# Altium PCB MPPT_Charger.PcbDoc (part 2 of 2)
Units mm, origin at the board's own origin, x right, y up, seen from the top; angles counter-clockwise.
Board outline 91.3 x 74.3 mm, 4 copper layers (Top Layer, Mid-Layer 1, Mid-Layer 2, Bottom Layer), stack 1.581 mm thick; 113 components, 75 nets, 367 pads, 566 vias.
Unrouted connection lines stored in the file: 70.
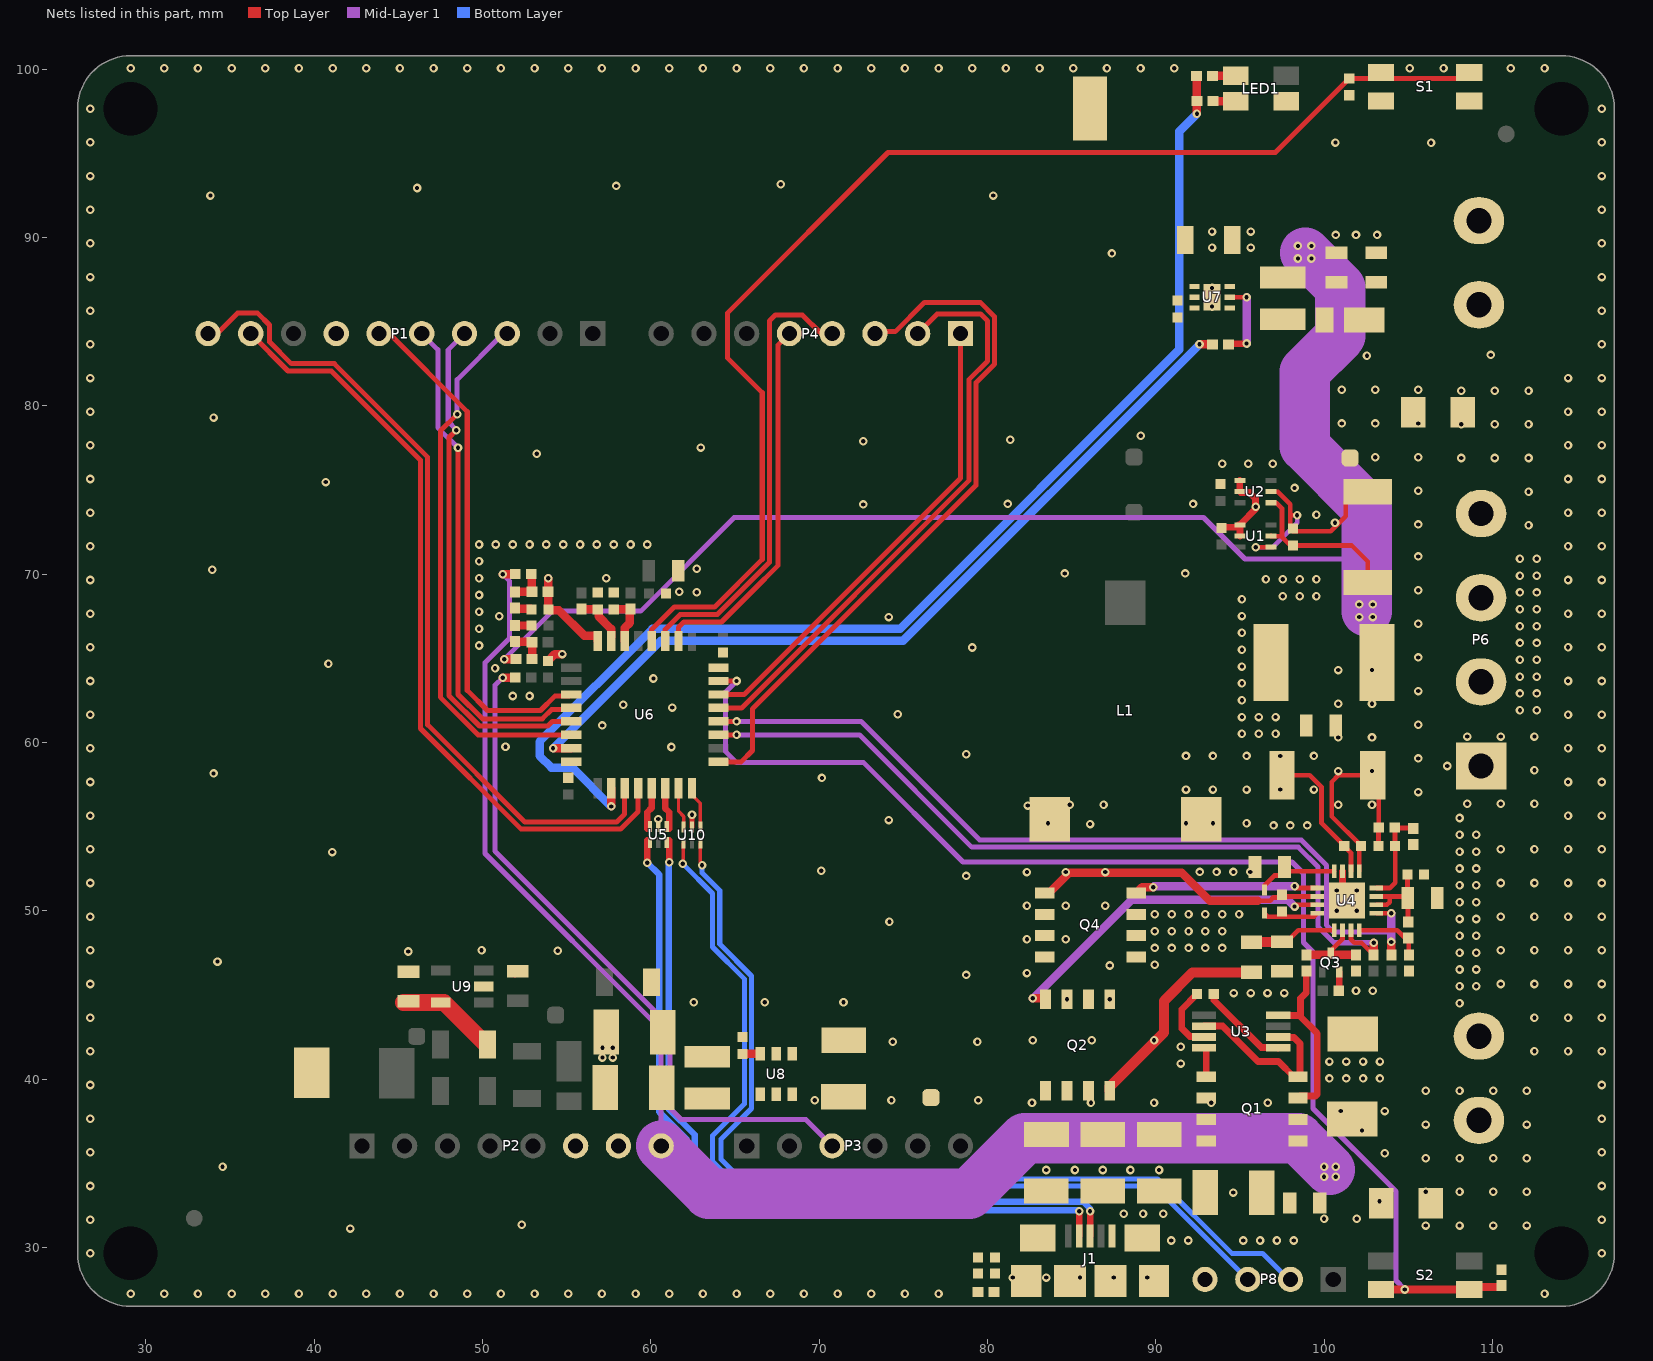
[diagram p4: the nets of this part, all layers, seen from the top]

## Via types
v1: diameter 0.508, hole 0.254, Top Layer to Bottom Layer, tented both sides, 566 vias

## Nets (pads, with @x,y where several pads share a name; then routed paths per layer and width w, separated by ;. In a path a pad name is that pad's centre, name@x,y a point inside that pad or via, vN(x,y) a via of type N, cw(c..) or ccw(c..) an arc to the next point about the centre after c; other vN are vias at no path point) (continued)
GND: C1.2 C2.2 C3.2 C5.1 C6.1 C7.1 C8.1 C9.1 C10.1 C11.2 C12.1 C17.2 C18.1 C19.1 C20.2 C21.2 C22.2 C23.1 C24.2 C25.2 C26.1 C27.2 C28.2 C29.2 C30.2 C31.2 C33.1 C34.1 C35.1 C36.1 C37.1 C38.2 D1.2 D5.2 J1.5 LED1.1 P1.7 P2.6 P2.7 P5.2 P6.2 P6.3 P8.4 Q3.3 Q4.1 Q4.2 Q4.3 R9.1 R10.1 R11.1 R13.1 R17.1 R21.1 R23.2 R24.1 R28.1 S1.1 S1.3 TP4.1 U1.1 U1.2 U2.1 U2.2 U4.11 U4.17 U5.2 U6.16 U6.32 U7.3 U7.7 U8.4 U9.2 U10.2 | length 12.9
  Top Layer w0.3: U10.2@62.45,54.975 v1(62.45,55.7)
  Top Layer w0.4: U9.2@50.075,45.5 U9.2@50.35,45.5 ; C36.1@51.925,46.225 C36.1@52.1,46.4 ; C3.2@93.9,72.75 93.94,72.79 94.8,72.79 94.93,72.92 U1.1@95.01,72.92 ; U2.1@95,75.56 U2.2@95,74.9 95.05,74.85 95.58,74.85 95.929,74.501 95.929,74.021 v1(95.95,74) 95.95,73.89 95.02,72.96 95.02,72.95 95.03,72.94 U1.1@95.01,72.92 ; U1.2@95.01,72.26 U1.1@95.01,72.92 ; R10.1@100.875,45.25 100.9,45.275 Q3.3@100.9,46.35 ; U4.11@101.1,52.35 101.1,50.85 U4.17@101.35,50.6
  Top Layer w0.5: R23.2@51.925,66.95 C21.2@52.925,66.95 ; R24.1@51.925,68 51.975,67.95 52.875,67.95 C24.2@52.925,67.9 ; C1.2@53.9,64.85 54.298,65.248 54.748,65.248 v1(54.75,65.25)
  other v1: 29.1,27.25 31.1,27.25 33.1,27.25 35.1,27.25 37.1,27.25 39.1,27.25 41.1,27.25 43.1,27.25 45.1,27.25 47.1,27.25 49.1,27.25 51.1,27.25 53.1,27.25 55.1,27.25 57.1,27.25 59.1,27.25 61.1,27.25 63.1,27.25 65.1,27.25 67.1,27.25 69.1,27.25 71.1,27.25 73.1,27.25 75.1,27.25 77.1,27.25 113.1,27.25 26.7,29.65 116.5,29.65 90.93,30.41 91.93,30.41 95.2,30.41 96.2,30.41 97.2,30.41 98.2,30.41 42.15,31.12 52.33,31.35 26.7,31.65 116.5,31.65 88.1,32 89.25,32 90.45,32 94.6,33.26 26.7,33.65 116.5,33.65 83.5,34.6 85.2,34.6 86.85,34.6 88.5,34.6 90.2,34.6 34.56,34.8 26.7,35.65 116.5,35.65 26.7,37.65 116.5,37.65 26.7,39.65 116.5,39.65 100.32,40.04 101.32,40.04 102.32,40.04 103.32,40.04 91.49,40.92 100.32,41.04 101.32,41.04 102.32,41.04 103.32,41.04 57.13,41.28 57.75,41.28 26.7,41.65 112.5,41.65 114.5,41.65 116.5,41.65 57.13,41.86 57.75,41.86 91.49,41.92 74.38,42.22 79.41,42.22 26.7,43.65 112.5,43.65 114.5,43.65 116.5,43.65 108.05,44.51 62.55,44.565 66.77,44.565 71.45,44.565 94.64,45.11 95.64,45.11 96.64,45.11 97.64,45.11 101.9,45.25 102.9,45.25 108.05,45.51 109.05,45.51 26.7,45.65 110.5,45.65 112.5,45.65 114.5,45.65 116.5,45.65 78.75,46.19 108.05,46.51 109.05,46.51 89.95,46.79 34.26,46.98 108.05,47.51 109.05,47.51 45.59,47.58 54.475,47.62 26.7,47.65 49.95,47.65 110.5,47.65 112.5,47.65 114.5,47.65 116.5,47.65 89.95,47.79 90.95,47.79 91.95,47.79 92.95,47.79 93.95,47.79 108.05,48.51 109.05,48.51 89.95,48.79 90.95,48.79 91.95,48.79 92.95,48.79 93.95,48.79 74.18,49.34 108.05,49.51 109.05,49.51 26.7,49.65 110.5,49.65 112.5,49.65 114.5,49.65 116.5,49.65 89.95,49.79 90.95,49.79 91.95,49.79 92.95,49.79 93.95,49.79 94.95,49.79 100.75,50 101.95,50 108.05,50.51 109.05,50.51 100.75,51.2 101.95,51.2 108.05,51.51 109.05,51.51 26.7,51.65 110.5,51.65 112.5,51.65 114.5,51.65 116.5,51.65 78.75,52.07 92.618,52.31 93.618,52.31 94.618,52.31 95.618,52.31 70.13,52.37 108.05,52.51 109.05,52.51 41.08,53.487 108.05,53.51 109.05,53.51 26.7,53.65 110.5,53.65 112.5,53.65 114.5,53.65 116.5,53.65 108.05,54.51 109.05,54.51 97,55.07 98,55.07 99,55.07 74.14,55.39 60.45,55.448 108.05,55.51 26.7,55.65 114.5,55.65 116.5,55.65 26.7,57.65 114.5,57.65 116.5,57.65 70.17,57.89 34.03,58.16 78.75,59.3 26.7,59.65 114.5,59.65 116.5,59.65 51.37,59.75 61.23,59.73 95.12,60.51 96.12,60.51 97.12,60.51 57.12,61.01 95.12,61.51 96.12,61.51 97.12,61.51 26.7,61.65 114.5,61.65 116.5,61.65 74.68,61.68 111.64,61.91 112.64,61.91 61.27,62.07 58.37,62.24 95.12,62.51 51.8,62.76 52.8,62.76 111.64,62.91 112.64,62.91 95.12,63.51 26.7,63.65 114.5,63.65 116.5,63.65 60.16,63.8 111.64,63.91 112.64,63.91 50.75,64.4 95.12,64.51 40.85,64.67 111.64,64.91 112.64,64.91 95.12,65.51 79.1,65.64 26.7,65.65 114.5,65.65 116.5,65.65 49.8,65.76 111.64,65.91 112.64,65.91 95.12,66.51 49.8,66.76 111.64,66.91 112.64,66.91 74.14,67.45 51,67.5 95.12,67.51 26.7,67.65 114.5,67.65 116.5,67.65 49.8,67.76 111.64,67.91 112.64,67.91 95.12,68.51 97.55,68.69 98.55,68.69 99.55,68.69 49.8,68.76 62.73,68.92 111.64,68.91 112.64,68.91 61.7,68.95 26.7,69.65 114.5,69.65 116.5,69.65 96.55,69.69 97.55,69.69 98.55,69.69 99.55,69.69 49.8,69.76 57.35,69.75 111.64,69.91 112.64,69.91 84.59,70.04 91.76,70.04 33.95,70.26 62.73,70.32 49.8,70.76 111.64,70.91 112.64,70.91 26.7,71.65 114.5,71.65 116.5,71.65 49.8,71.76 50.8,71.76 51.8,71.76 52.8,71.76 53.8,71.76 54.8,71.76 55.8,71.76 56.8,71.76 57.8,71.76 58.8,71.76 59.8,71.76 99.55,73.52 26.7,73.65 114.5,73.65 116.5,73.65 72.63,74.14 81.21,74.17 92.22,74.17 98.25,75.12 40.69,75.47 26.7,75.65 114.5,75.65 116.5,75.65 93.95,76.55 95.49,76.56 96.95,76.56 53.22,77.15 62.97,77.52 26.7,77.65 114.5,77.65 116.5,77.65 72.63,77.89 81.35,77.99 89.11,78.22 34.03,79.3 26.7,79.65 114.5,79.65 116.5,79.65 26.7,81.65 114.5,81.65 116.5,81.65 102.55,82.98 109.9,83.02 26.7,83.65 116.5,83.65 26.7,85.65 116.5,85.65 93.35,85.9 93.35,87 26.7,87.65 116.5,87.65 87.4,89.05 93.35,89.4 95.65,89.4 26.7,89.65 116.5,89.65 100.7,90.15 101.9,90.15 103.15,90.15 93.35,90.35 95.65,90.35 26.7,91.65 116.5,91.65 33.84,92.49 80.35,92.49 46.12,92.94 57.95,93.06 67.73,93.17 26.7,93.65 116.5,93.65 100.677,95.64 106.36,95.63 26.7,95.65 116.5,95.65 26.7,97.65 116.5,97.65 29.1,100.05 31.1,100.05 33.1,100.05 35.1,100.05 37.1,100.05 39.1,100.05 41.1,100.05 43.1,100.05 45.1,100.05 47.1,100.05 49.1,100.05 51.1,100.05 53.1,100.05 55.1,100.05 57.1,100.05 59.1,100.05 61.1,100.05 63.1,100.05 65.1,100.05 67.1,100.05 69.1,100.05 71.1,100.05 73.1,100.05 75.1,100.05 77.1,100.05 79.1,100.05 81.1,100.05 83.1,100.05 85.1,100.05 87.1,100.05 89.1,100.05 91.1,100.05 105.1,100.05 107.1,100.05 111.1,100.05 113.1,100.05
I_SENS1: C22.1 R15.2 U6.6 | length 3
  Top Layer w0.5: C22.1@57.8,67.9 57.812,67.912 R15.2@58.787,67.912 ; U6.6@58.45,66.025 58.45,66.8 58.75,67.1 58.75,67.875 R15.2@58.787,67.912 ; R15.2@58.8,67.925 R15.2@58.787,67.912
I_SENS2: C25.1 R16.2 U6.7 | length 3
  Top Layer w0.5: R16.2@55.875,67.925 55.888,67.912 56.837,67.912 C25.1@56.85,67.9 56.9,67.85 56.9,67.5 57.65,66.75 U6.7@57.65,66.25
LED_DIMM: R27.1 U6.15 | length 50.2
  Top Layer w0.5: v1(54.198,59.65) U6.15@55.275,59.65 ; v1(92.6,83.65) R27.1@93.375,83.65
  Bottom Layer w0.5: v1(54.198,59.65) 60.598,66.05 75,66.05 v1(92.6,83.65)
NetC4_1: C4.1 F2.1 R7.1 TP1.0 U1.4 U2.5 | length 14
  Top Layer w0.28: v1(95.95,71.6) U1.4@96.85,71.6 U1.4@96.9,71.6 ; U2.5@96.84,74.9 96.85,74.89 97.26,74.89 98,74.15 98,73.5 ; C4.1@98.15,72.7 C4.1@98.15,72.8 ; v1(98.4,73.5) 98,73.5 ; R7.1@102.6,74.9 101.9,74.9 101.29,74.29 101.29,73.44 100.4,72.55 98.15,72.55 98.075,72.625 98,72.7 98,73.5
  Mid-Layer 1 w0.28: v1(95.95,71.6) 96.95,71.6 98.4,73.05 v1(98.4,73.5)
  other v1: 105.6,72.95 100.65,73.05 105.6,74.95 103.05,76.95 105.6,76.95 101.05,78.95 103.05,78.95 105.6,78.95 101.05,80.95 103.05,80.95 105.6,80.95
NetC7_2: C7.2 R3.2 U4.1 | length 5.2
  Top Layer w0.28: C7.2@97.5,48.15 97.775,48.15 98.475,48.85 U4.1@100.6,48.85
  Top Layer w0.6: R3.2@95.69,48.14 95.695,48.145 97.495,48.145 C7.2@97.5,48.15
NetC11_1: C11.1 R2.1
NetC12_2: C12.2 D2.1 U4.12 | length 5.1
  Top Layer w0.28: D2.1@96.45,51.225 96.45,51.5 97.04,52.09 97.415,52.09 97.65,52.325 C12.2@97.65,52.585 ; C12.2@97.65,52.6 C12.2@97.65,52.585 ; U4.12@100.6,52.35 97.885,52.35 C12.2@97.65,52.585
NetC13_1: C13.1 U3.7 | length 3.9
  Top Layer w0.4: C13.1@92.45,45.05 91.55,44.15 91.55,43 92.025,42.525 92.845,42.525 U3.7@92.87,42.5
NetC13_2: C13.2 U3.1 | length 5.4
  Top Layer w0.4: C13.2@93.45,45.05 93.45,44.7 96.275,41.875 97.245,41.875 U3.1@97.27,41.85
NetC14_1: C14.1 D2.2 U4.16 | length 3.3
  Top Layer w0.28: D2.2@96.45,49.875 96.45,49.86 96.66,49.65 99.4,49.65 U4.16@99.6,49.85
NetC14_2: C14.2 L1.1 Q2.1 Q2.2 Q2.3 Q4.5 Q4.6 Q4.7 Q4.8 U4.14 | length 17.6
  Top Layer w0.28: 96.05,50.6 96.8,50.6 96.99,50.79 97.34,50.79 C14.2@97.5,50.95 97.6,50.85 U4.14@99.6,50.85
  Top Layer w0.5: Q4.5@83.4,51.06 83.65,51.06 84.84,52.25 91.55,52.25 93.2,50.6 96.05,50.6
  other v1: 84.73,44.75 87.27,44.75 82.35,46.3 87.27,46.75 82.35,48.3 84.65,48.3 82.35,50.3 84.65,50.3 87,50.3 82.35,52.3 84.65,52.3 87,52.3 86.1,55.15 83.6,55.2 82.4,56.25 84.9,56.3 86.9,56.3
NetC16_2: C16.2 R8.1 R13.2 U4.8 | length 5.7
  Top Layer w0.28: U4.8@103.1,51.35 103.9,51.35 104.225,51.675 C16.2@104.225,53.85 104.212,53.863 R8.1@104.212,54.938 ; R8.1@104.2,54.95 R8.1@104.212,54.938 ; R13.2@105.3,54.875 105.262,54.913 104.237,54.913 R8.1@104.212,54.938
NetC18_2: C18.2 C19.2 J1.6 J1.7 J1.8 J1.9 J1.10 J1.11 R17.2
  other v1: 81.5,28.21 83.5,28.21 85.5,28.21 87.5,28.21 89.5,28.21
NetC20_1: C20.1 S1.2 S1.4 U6.4 | length 74.5
  Top Layer w0.3: U6.4@60.05,66.025 60.05,66.7 61.4,68.05 63.796,68.05 66.623,70.877 66.623,80.777 64.55,82.85 64.55,85.5 74.1,95.05 97.1,95.05 C20.1@101.5,99.45 108.275,99.45 S1.4@108.625,99.8
NetC30_1: C30.1 D3.2 P9.1
NetC31_1: C31.1 U7.2
NetC32_1: C32.1 L3.1 U8.5
NetC32_2: C32.2 U8.6 | length 1
  Top Layer w0.5: C32.2@65.45,41.5 U8.6@66.5,41.5
NetC34_2: C34.2 C35.2 L3.2 R29.2 U8.1
NetC37_2: C37.2 R31.2 U9.5 | length 6.1
  Top Layer w1: C37.2@45.3,44.55 U9.5@47.525,44.55 47.729,44.55 50.3,41.979 R31.2@50.3,42.05
NetD3_1: D3.1 L2.2 U7.4
NetF1_1: F1.1 P5.1
  other v1: 106.05,31.3 108.05,31.3 110.05,31.3 112.05,31.3 106.05,33.3 108.05,33.3 110.05,33.3 112.05,33.3 106.05,35.3 108.05,35.3 110.05,35.3 112.05,35.3 106.05,37.3 112.05,37.3 106.05,39.3 108.05,39.3 110.05,39.3 112.05,39.3
NetF2_2: F2.2 P6.4
  other v1: 112.15,72.9 112.15,74.9 108.15,76.9 110.15,76.9 112.15,76.9 108.15,78.9 110.15,78.9 112.15,78.9 108.15,80.9 110.15,80.9 112.15,80.9
NetJ1_2: J1.2 U5.4 | length 46.3
  Top Layer w0.381: v1(59.8,52.85) 59.8,54.2 ; J1.2@85.45,30.675 v1(85.45,32.15)
  Bottom Layer w0.381: v1(59.8,52.85) 60.5,52.15 60.5,38.05 62.1,36.45 62.1,34.7 64.6,32.2 85.4,32.2 v1(85.45,32.15)
NetJ1_3: J1.3 U5.6 | length 46.1
  Top Layer w0.381: v1(61.1,52.883) 61.1,54.2 ; J1.3@86.1,30.67 J1.3@86.1,30.675 v1(86.1,32.15)
  Bottom Layer w0.381: v1@61.06,52.883 61.06,38.25 62.608,36.702 62.608,34.942 64.829,32.721 85.687,32.721 86.076,32.333 86.076,32.174 v1(86.1,32.15)
NetLED1_2: LED1.2 R26.2 | length 1.4
  Top Layer w0.5: R26.2@93.4,98.1 LED1.2@94.75,98.1
NetLED1_3: LED1.3 R25.2 | length 1.4
  Top Layer w0.5: R25.2@93.375,99.6 LED1.3@94.75,99.6
NetP3_3: P3.3 R1.1 | length 41.4
  Top Layer w0.5: v1(51.2,63.85) R1.1@51.95,63.85
  Mid-Layer 1 w0.3: v1(51.2,63.85) 50.75,63.4 50.75,53.54 61.15,43.14 61.15,38.26 61.81,37.6 69.21,37.6 P3.3@70.78,36.03
NetP4_3: P4.3 U6.25 | length 42.3
  Top Layer w0.3: U6.25@64.025,58.85 65.375,58.85 66.05,59.525 66.05,62 79.327,75.277 79.327,81.373 80.427,82.473 80.427,85.297 79.574,86.15 76.268,86.15 74.52,84.402 73.432,84.402 P4.3@73.32,84.29
NetP4_4: P4.4 U6.3 | length 27.2
  Top Layer w0.3: U6.3@60.85,66.025 60.85,66.7 61.75,67.6 63.95,67.6 67.05,70.7 67.05,85.05 67.4,85.4 69,85.4 70.11,84.29 P4.4@70.78,84.29
NetP4_5: P4.5 U6.2 | length 22.3
  Top Layer w0.3: U6.2@61.65,66.025 61.65,66.837 61.963,67.15 64.2,67.15 66.075,69.025 67.55,70.5 67.55,83.6 P4.5@68.24,84.29
NetP8_2: P8.2 U10.6 | length 57.6
  Top Layer w0.2: U10.6@62.95,54.025 62.95,52.883 63.05,52.783 v1(63.05,52.7)
  Bottom Layer w0.3: v1(63.05,52.7) 63.05,52.254 64.1,51.204 64.1,48.02 65.99,46.13 65.99,38.25 64.17,36.43 64.17,35.23 65.331,34.069 90.105,34.069 94.524,29.65 96.35,29.65 97.67,28.33 97.78,28.33 P8.2@98.01,28.1
NetP8_3: P8.3 U10.4 | length 55.9
  Top Layer w0.2: v1(61.9,52.8) 61.925,52.825 61.925,54 U10.4@61.95,54.025
  Bottom Layer w0.3: v1(61.9,52.8) 63.673,51.027 63.673,47.843 65.563,45.953 65.563,38.523 63.673,36.633 63.673,35.123 65.154,33.642 89.928,33.642 P8.3@95.47,28.1
NetP9_2: P9.2 R28.2 U7.1
NetQ1_4: Q1.4 U3.2 U3.6 | length 10.3
  Top Layer w0.4: U3.6@92.87,43.15 93.975,43.15 96.075,41.05 97.29,41.05 98.2,40.14 Q1.4@98.45,40.14 98.575,40.265 98.575,42.116 98.216,42.475 97.295,42.475 U3.2@97.27,42.5
NetQ2_4: Q2.4 U4.15 | length 20.3
  Top Layer w0.28: v1(98.25,50.25) 98.35,50.35 U4.15@99.6,50.35
  Top Layer w0.5: v1(82.7,44.8) 82.702,44.798 83.412,44.798 Q2.4@83.46,44.75
  Mid-Layer 1 w0.5: v1(82.7,44.8) 88.55,50.65 97.85,50.65 v1(98.25,50.25)
NetQ4_4: Q4.4 U4.13 | length 11
  Top Layer w0.28: v1(98.25,51.45) 98.35,51.35 U4.13@99.6,51.35
  Top Layer w0.5: Q4.4@88.85,51.06 89.19,51.4 v1(89.85,51.4)
  Mid-Layer 1 w0.5: v1(89.85,51.4) 89.9,51.45 v1(98.25,51.45)
NetR18_1: R18.1 R20.1 R24.2 | length 2.1
  Top Layer w0.5: R24.2@51.925,68.95 R20.1@52.95,68.95 52.925,68.975 52.925,69.975 R18.1@52.9,70
NetR19_2: R19.2 R22.1 R23.1 | length 2
  Top Layer w0.5: R23.1@51.925,66 51.95,65.975 52.925,65.975 R22.1@52.95,65.95 R19.2@52.95,64.95
NetR21_2: R21.2 S2.2 S2.4 U6.31 | length 77.4
  Top Layer w0.3: U6.31@64.025,63.65 v1(65.1,63.65)
  Top Layer w0.5: S2.4@103.375,27.5 v1(104.8,27.5) S2.2@108.625,27.5 108.775,27.65 110.5,27.65 110.55,27.7 R21.2@110.55,27.725
  Mid-Layer 1 w0.3: v1(65.1,63.65) 64.45,63 64.45,59.45 65.1,58.8 72.65,58.8 78.55,52.9 98.096,52.9 98.781,52.215 98.781,48.119 99.35,47.55 99.35,38.25 104.269,33.331 104.269,28.031 v1(104.8,27.5)
NetR25_1: R25.1 R26.1 U6.18 | length 71.8
  Top Layer w0.5: v1(57.65,56.2) U6.18@57.65,57.275 ; R25.1@92.425,99.6 92.437,99.588 92.437,98.113 R26.1@92.45,98.1 v1(92.45,97.35)
  Bottom Layer w0.5: v1(57.65,56.2) 55.35,58.5 54.1,58.5 53.4,59.2 53.4,60.05 60.1,66.75 74.813,66.75 91.4,83.337 91.4,96.3 v1(92.45,97.35)
NetR27_2: R27.2 U7.5 | length 4.8
  Top Layer w0.28: U7.5@94.4,86.45 v1(95.4,86.45)
  Top Layer w0.4: R27.2@94.325,83.65 94.354,83.679 95.379,83.679 v1(95.4,83.7)
  Mid-Layer 1 w0.5: v1(95.4,83.7) v1(95.4,86.45)
RX: P4.1 U6.30 | length 28.3
  Top Layer w0.3: U6.30@64.025,62.85 65.55,62.85 78.4,75.7 P4.1@78.4,84.29
SCL: P1.10 U6.19 | length 49.4
  Top Layer w0.3: P1.10@33.696,84.29 34.24,84.29 35.45,85.5 36.65,85.5 37.35,84.8 37.35,83.8 38.65,82.5 41.2,82.5 46.75,76.95 46.75,61.05 52.523,55.277 57.977,55.277 58.45,55.75 U6.19@58.45,57.275
SDA: P1.9 U6.20 | length 46.4
  Top Layer w0.3: P1.9@36.236,84.29 38.453,82.073 41.023,82.073 46.323,76.773 46.323,60.827 52.3,54.85 58.2,54.85 59.25,55.9 U6.20@59.25,57.275
SENSOR: R5.1 R11.2 U4.4 | length 4.1
  Top Layer w0.28: U4.4@102.1,48.85 104.35,48.85 104.825,48.375 R5.1@105,48.375 105.025,48.35 105.025,47.4 R11.2@105.05,47.375
SPI_CS: P1.3 U6.14 | length 32.2
  Top Layer w0.3: v1(48.5,79.5) 47.5,78.5 47.5,62.692 49.742,60.45 55.083,60.45 55.179,60.546 U6.14@55.275,60.45
  Mid-Layer 1 w0.3: v1(48.5,79.5) 48.5,81.55 51.24,84.29 P1.3@51.476,84.29
SPI_MISO: P1.5 U6.12 | length 29.9
  Top Layer w0.3: v1(48.55,77.5) 48.55,62.85 50,61.4 53.554,61.4 54.104,61.95 55.175,61.95 U6.12@55.275,62.05
  Mid-Layer 1 w0.3: P1.5@46.396,84.29 47.35,83.336 47.35,78.7 v1(48.55,77.5)
SPI_MOSI: P1.4 U6.13 | length 30.4
  Top Layer w0.3: v1(48.45,78.55) 48.019,78.119 48.019,62.777 49.823,60.973 53.873,60.973 54.15,61.25 U6.13@55.275,61.25
  Mid-Layer 1 w0.3: v1(48.45,78.55) 48.45,78.584 47.969,79.065 47.969,83.323 P1.4@48.936,84.29
SPI_SCK: P1.6 U6.11 | length 30.8
  Top Layer w0.3: P1.6@43.856,84.29 43.916,84.35 44.401,84.35 49.1,79.651 49.1,63.1 50.3,61.9 53.45,61.9 54.3,62.75 55.175,62.75 U6.11@55.275,62.85
SR_N: C4.2 C15.1 C16.1 C17.1 C29.1 C38.1 L2.1 P6.1 R6.2 R7.2 R8.2 R19.1 U1.5 U2.4 U4.9 U7.6 | length 106.4
  Top Layer w0.28: U2.4@96.84,74.24 97.16,74.24 97.5,73.9 97.5,72.312 97.444,72.256 ; U1.5@96.85,72.26 96.854,72.256 97.444,72.256 ; U4.9@102.1,52.35 102.1,53.75 C15.1@102.2,53.85 100.45,55.6 100.45,57.65 100.85,58.05 R6.2@102.9,58.05 103.25,57.7 R8.2@103.25,54.95 103.237,54.937 103.237,53.863 C16.1@103.225,53.85 ; R7.2@102.6,69.5 102.6,70.75 101.65,71.7 C4.2@98.15,71.7 98,71.7 97.444,72.256
  Top Layer w0.5: v1(51.3,64.95) R19.1@52,64.95
  Mid-Layer 1 w0.3: v1(51.3,64.95) 54.15,67.8 59.4,67.8 64.96,73.36 92.84,73.36 95.3,70.9 102.05,70.9 102.1,70.85 v1(102.1,68.2)
  Mid-Layer 1 w3: 98.88,89.1 100.97,87.01 100.97,84.15 98.85,82.03 98.85,77.6 102.55,73.9 102.55,67.8
  other v1: 100.85,56.3 102.85,56.3 108.5,56.35 110.5,56.35 112.5,56.35 105.6,57.05 100.85,58.3 102.85,58.3 112.5,58.35 107.327,58.6 105.6,59.05 100.85,60.3 102.85,60.3 108.5,60.35 110.5,60.35 112.5,60.35 105.6,61.05 100.85,62.3 102.85,62.3 105.6,63.05 100.85,64.3 102.85,64.3 105.6,65.05 105.6,67.05 102.1,67.45 102.9,67.45 102.9,68.2 105.6,69.05 105.6,71.05 98.45,88.75 99.25,88.75 98.45,89.5 99.25,89.5
SR_P: C15.2 L1.2 R6.1 U4.10 | length 8.4
  Top Layer w0.28: R6.1@97.5,58.05 99.15,58.05 99.85,57.35 99.85,55.2 C15.2@101.2,53.85 101.6,53.45 U4.10@101.6,52.35
  other v1: 91.8,55.2 93.4,55.2 95.4,55.2 91.8,57.2 93.4,57.2 95.4,57.2 97.4,57.2 99.4,57.2 91.8,59.2 93.4,59.2 95.4,59.2 97.4,59.2 99.4,59.2
STATUS1: R14.2 U4.5 U6.28 | length 50.6
  Top Layer w0.28: U4.5@103.1,49.85 v1(104,49.85)
  Top Layer w0.3: U6.28@64.025,61.25 v1(65.1,61.25)
  Top Layer w0.5: R14.2@104,47.375 v1(104,48.15)
  Mid-Layer 1 w0.3: v1(65.1,61.25) 72.5,61.25 79.546,54.204 98.646,54.204 100.15,52.7 100.15,49.142 100.542,48.75 104,48.75
  Mid-Layer 1 w0.5: v1(104,48.15) 104,48.75 v1(104,49.85)
STATUS2: R12.2 U4.3 U6.27 | length 49.1
  Top Layer w0.28: U4.3@101.6,48.85 101.6,48.3 101.8,48.1 102.225,48.1 R12.2@102.95,47.375
  Top Layer w0.3: U6.27@64.025,60.45 v1(65.1,60.45)
  Top Layer w0.5: R12.2@102.95,47.375 v1(102.95,48.1)
  Mid-Layer 1 w0.3: v1(65.1,60.45) 72.404,60.45 79.077,53.777 98.469,53.777 99.635,52.611 99.635,49.053 100.588,48.1 v1(102.95,48.1)
SWCLK: U6.24 U10.1 | length 2.5
  Top Layer w0.2: U6.24@62.45,57.275 62.45,56.9 62.95,56.4 U10.1@62.95,54.975
SWDIO: U6.23 U10.3 | length 2.4
  Top Layer w0.2: U6.23@61.65,57.275 61.65,55.9 61.95,55.6 U10.3@61.95,54.975
TX: P4.2 U6.29 | length 35.2
  Top Layer w0.3: U6.29@64.025,62.05 65.4,62.05 78.9,75.55 78.9,81.55 80,82.65 80,85.05 79.6,85.45 77.02,85.45 P4.2@75.86,84.29
USB_T_N: U5.3 U6.21 | length 2.5
  Top Layer w0.381: 59.8,54.875 59.8,55.853 60.05,56.103 U6.21@60.05,57.275
USB_T_P: U5.1 U6.22 | length 2.5
  Top Layer w0.381: U6.22@60.85,57.275 60.85,56.1 61.1,55.85 61.1,54.875
V_IN: D1.1 F1.2 P2.8 Q1.1 Q1.2 Q1.3 R2.2 R4.2 R18.2 U3.4 | length 93.4
  Top Layer w0.4: U3.4@97.27,43.8 97.295,43.775 98.525,43.775 ; Q1.3@98.45,38.87 98.575,38.995 99.491,38.995 99.6,39.104 99.6,42.7 98.525,43.775 ; R4.2@98.95,46.425 98.95,45.15 98.6,44.8 98.6,43.775 98.525,43.775
  Top Layer w0.5: v1(51.2,70) R18.2@51.95,70
  Mid-Layer 1 w0.3: v1(51.2,70) 51.62,69.58 51.62,66.21 50.15,64.74 50.15,53.4 60.62,42.93 P2.8@60.62,36.03
  Mid-Layer 1 w3: P2.8@60.62,36.03 63.45,33.2 78.932,33.2 82.213,36.481 98.469,36.481 100.35,34.6
  other v1: 100,31.7 101.95,31.7 103.3,32.75 100,34.2 100.7,34.2 100,34.8 100.7,34.8 103.6,35.6 102.25,36.95 101,38.1 103.6,38.1
V_PWR: C5.2 C6.2 C10.2 C33.2 Q1.5 Q1.6 Q1.7 Q1.8 Q2.5 Q2.6 Q2.7 Q2.8 R3.1 TP2.0 U3.8 U8.2 U8.3 | length 14.4
  Top Layer w0.4: U3.8@92.87,41.85 92.975,41.85 93,41.825 Q1.5@93,40.14
  Top Layer w0.6: Q2.8@87.27,39.3 87.27,39.55 90.5,42.78 90.5,44.65 92.19,46.34 R3.1@95.69,46.34
  other v1: 82.65,38.6 86.15,38.6 89.9,38.6 93.3,38.6 96.65,38.6 69.75,38.75 74.3,38.75 79.45,38.75 82.7,42.3 86.2,42.3 89.9,42.3
VIN_SENS: C24.1 R20.2 U6.8 | length 5.8
  Top Layer w0.5: v1(53.912,69.75) 53.911,69.748 53.911,68.961 R20.2@53.9,68.95 53.912,68.938 53.912,67.913 C24.1@53.925,67.9 53.975,67.85 54.55,67.85 56.05,66.35 56.85,66.35 U6.8@56.85,66.025
VMPP: Q3.2 R4.1 R9.2 U4.2 | length 4.6
  Top Layer w0.28: Q3.2@100.4,47.5 100.4,47.625 101.1,48.325 U4.2@101.1,48.85
  Top Layer w0.5: R4.1@98.95,47.375 R9.2@101.9,47.375
VREF: C8.2 C9.2 R5.2 U4.6 U4.7 | length 5.9
  Top Layer w0.28: U4.6@103.1,50.35 103.736,50.35 103.9,50.514 103.9,50.85 ; U4.7@103.1,50.85 103.9,50.85 ; C9.2@104.95,52.15 104.962,52.138 C8.2@104.962,50.762 ; R5.2@105,49.325 104.987,49.338 104.987,50.737 C8.2@104.975,50.75 C8.2@104.962,50.762 ; 103.9,50.85 104.875,50.85 C8.2@104.962,50.762
pads on no net: J1.4 L1.3 P1.1 P1.2 P1.8 P2.1 P2.3 P3.1 P3.2 P3.4 P3.5 P3.6 P4.6 P4.7 P4.8 U3.3 U3.5 U9.4
copper on no net: | length 12.6
  Top Layer w0.15: 33.88,31.73 ccw(c32.88,31.73) 33.88,31.73 ; 111.82,96.15 ccw(c110.82,96.15) 111.82,96.15

## Polygon pours and split planes (outlines as drawn)
GND on Top Layer "TopPoly" (solid, remove dead copper, pour order 0): 25.95,29.65 25.95,97.848 cw(c28.49,97.848) 26.694,99.644 27.106,100.056 cw(c28.902,98.26) 28.902,100.8 114.348,100.8 cw(c114.348,98.26) 116.144,100.056 116.506,99.694 cw(c114.71,97.898) 117.25,97.898 117.25,29.39 cw(c114.86,29.39) 116.55,27.7 116.094,27.244 cw(c114.298,29.04) 114.298,26.5 28.852,26.5 cw(c28.852,29.04) 27.056,27.244 26.694,27.606 cw(c28.49,29.402) 25.95,29.402
GND on Mid-Layer 2 "TopPoly" (solid, remove dead copper, pour order 2): 25.95,29.65 25.95,97.848 cw(c28.49,97.848) 26.694,99.644 27.106,100.056 cw(c28.902,98.26) 28.902,100.8 114.348,100.8 cw(c114.348,98.26) 116.144,100.056 116.506,99.694 cw(c114.71,97.898) 117.25,97.898 117.25,29.39 cw(c114.86,29.39) 116.55,27.7 116.094,27.244 cw(c114.298,29.04) 114.298,26.5 28.852,26.5 cw(c28.852,29.04) 27.056,27.244 26.694,27.606 cw(c28.49,29.402) 25.95,29.402
GND on Bottom Layer "TopPoly" (solid, remove dead copper, pour order 4): 25.95,29.65 25.95,97.848 cw(c28.49,97.848) 26.694,99.644 27.106,100.056 cw(c28.902,98.26) 28.902,100.8 114.348,100.8 cw(c114.348,98.26) 116.144,100.056 116.506,99.694 cw(c114.71,97.898) 117.25,97.898 117.25,29.39 cw(c114.86,29.39) 116.55,27.7 116.094,27.244 cw(c114.298,29.04) 114.298,26.5 28.852,26.5 cw(c28.852,29.04) 27.056,27.244 26.694,27.606 cw(c28.49,29.402) 25.95,29.402
GND on Mid-Layer 1 "TopPoly" (solid, remove dead copper, pour order 6): 25.95,29.65 25.95,97.848 cw(c28.49,97.848) 26.694,99.644 27.106,100.056 cw(c28.902,98.26) 28.902,100.8 114.348,100.8 cw(c114.348,98.26) 116.144,100.056 116.506,99.694 cw(c114.71,97.898) 117.25,97.898 117.25,29.39 cw(c114.86,29.39) 116.55,27.7 116.094,27.244 cw(c114.298,29.04) 114.298,26.5 28.852,26.5 cw(c28.852,29.04) 27.056,27.244 26.694,27.606 cw(c28.49,29.402) 25.95,29.402

## Keep-outs
Keep-Out Layer:
  lines w0.2: 25.95,97.65 cw(c29.1,97.65) 29.1,100.8 114.1,100.8 cw(c114.1,97.65) 117.25,97.65 ; 25.95,97.65 25.95,97.65 ; 25.95,97.65 25.95,29.65 ccw(c29.1,29.65) 29.1,26.5 114.1,26.5 ; 114.1,26.5 ccw(c114.1,29.65) 117.25,29.65 117.25,97.65 ; 114.1,26.5 114.1,26.5 ; 117.25,97.65 117.25,97.65

## Other copper
Top Layer:
  rectangle net NetC18_2: 88.15,28.86 90.25,29.89
  rectangle net NetC18_2: 81.96,28.95 84.05,30.49
  rectangle net NetC18_2: 80.45,27.05 91.25,29.4
  rectangle net 5V_USB: 53.95,37.25 56.1,39.45
  rectangle net +3.3V_AUX: 49.25,39.15 50.95,40.85
  rectangle net +5V_AUX: 51.7,34.75 53.75,39.45
  rectangle net +3.3V_AUX: 49.25,34.75 51.5,39.55
  rectangle net +3.3V: 43.8,38.05 47.9,43.2
  rectangle net +5V: 49.5,43.75 51.45,44.85
  rectangle net +5V: 53.05,44.35 58.1,46.65
  rectangle net +5V: 51.11,39.85 55.95,45.18
  rectangle net NetC32_1: 66.95,41.1 67.95,43.85
  rectangle net NetC32_1: 64.5,42.15 67.75,43.85
  rectangle net NetC32_1: 62,41.65 64.7,43.85
  rectangle net NetC34_2: 59,37.45 61.6,46.65
  rectangle net NetC34_2: 59,36.95 66.8,39.55
  rectangle net V_PWR: 67.15,37.45 82.5,40.265
  rectangle net GND: 92.85,88.8 96.55,91.05
  rectangle net GND: 92.85,87 93.85,91.05
  rectangle net SR_N: 97.75,88 99.9,90.1
  rectangle net NetP9_2: 107,89.4 112.15,93.15
  rectangle net NetP9_2: 90.9,91.4 112.15,94
  rectangle net GND: 91,84.35 92.87,85.55
  rectangle net GND: 92,84.35 93.85,85.95
  rectangle net NetC31_1: 91,86.3 92.6,86.6
  rectangle net NetP9_2: 90.9,86.95 92.6,91.55
  rectangle net SR_N: 94.1,86.95 101.4,88.4
  rectangle net NetD3_1: 94.1,84.35 100.6,85.95
  rectangle net NetC30_1: 102.15,84.35 112.1,87.8
  rectangle net NetF2_2: 107.35,71.4 113.55,81.55
  rectangle net NetC4_1: 100.3,72.4 106.2,81.55
  rectangle net SR_P: 91.55,54.1 96.35,56.8
  rectangle net SR_N: 100.3,55.95 113.25,61
  rectangle net SR_N: 100.3,56.5 106.2,71.85
  rectangle net SR_P: 91.5,55.95 100,59.75
  rectangle net NetC14_2: 81.9,45.65 84.8,56.8
  rectangle net NetC14_2: 84.3,44.15 87.7,56.8
  rectangle net V_PWR: 81.9,38.75 90.8,43.5
  rectangle net V_PWR: 81.9,35 97.15,40.2
  rectangle net NetC11_1: 95.55,31.9 98.4,34.05
  rectangle net NetF1_1: 105.35,30.8 112.5,40.15
  rectangle net V_IN: 99.025,30.8 104.4,34.9
  rectangle net V_IN: 97.75,34.5 104.4,39.3
  pour cut-out: 105.427,49.777 105.477,49.827 105.477,49.973 105.356,49.973 105.291,49.909 105.291,49.834 105.348,49.777
  pour cut-out: 105.377,51.723 105.377,51.627 105.477,51.527 105.326,51.527 105.326,51.567 105.268,51.625 105.268,51.665 105.326,51.723
  pour cut-out: 96.418,44.152 94.012,44.152 94.01,44.15 96.31,41.85 96.548,41.85
  pour cut-out: 100.6,84.213 100.61,84.223 101.073,84.223 101.073,85.977 102.013,85.977 102.013,87.8 102.15,87.937 101.55,88.537 101.4,88.537 101.4,86.95 101.263,86.813 100.737,86.813 100.737,84.293 100.697,84.253
  pour cut-out: 59.412,52.85 59.412,52.01 59.462,51.96 62.2,51.96 62.2,52.55 61.925,52.825
  pour cut-out: 100.22,47.024 100.321,46.924 100.321,43.087 99.933,42.7 99.11,43.523 99.11,43.62 98.933,43.797 98.933,46.74 99.247,47.053
  pour cut-out: 53.812,56.9 53.812,55.303 53.837,55.277 54.49,55.277 54.49,56.61 54.2,56.9
  pour cut-out: 93.877,45.477 93.877,45.963 93.86,45.98 93.853,45.973 92.293,45.973 91.797,45.477 91.802,45.472 92.627,45.472
  pour cut-out: 102.27,51.92 102.573,51.617 103.787,51.622 103.98,51.815 103.98,53.423 102.402,53.423
  pour cut-out: 100.737,85.95 100.737,86.897 100.74,86.9 99.337,86.9 99.25,86.813 99.25,86.087
  pour cut-out: 101.073,99.877 101.073,100.793 101.08,100.8 102.45,100.8 102.45,100.435 102.473,100.412 102.447,100.386 102.447,99.301
  pour cut-out: 95.788,83.7 95.788,84.26 95.698,84.35 95.22,84.35 95.22,83.88 95.4,83.7
  pour cut-out: 93.963,84.35 93.963,84.016 93.979,84 94.447,84 94.447,84.223 94.38,84.29
  pour cut-out: 64.83,85.167 66.933,85.167 67.09,85.01 67.09,83.83 64.79,83.83 64.55,84.07
  pour cut-out: 33.696,83.405 36.236,83.405 36.236,83.406 36.236,84.29 33.696,84.29
  pour cut-out: 53.783,63.423 53.783,62.554 54.1,62.871 54.1,63.265 54.1,63.266
  pour cut-out: 54.327,64.277 54.571,64.277 54.632,64.217 54.632,64.04 54.444,64.04 54.335,64.149
  pour cut-out: 53.81,59.65 53.81,60.248 53.862,60.3 54.378,60.3 54.378,59.83 54.198,59.65
  pour cut-out: 68.087,41.1 68.087,40.372 67.18,40.372 67.12,40.432 67.12,41.05
  pour cut-out: 88.148,50.608 87.802,50.608 87.79,50.62 87.837,50.667 87.837,51.866 88.997,51.866 89.018,51.844 89.018,50.658 89.01,50.65
  pour cut-out: 104.652,54.277 104.798,54.423 104.873,54.423 104.873,54.575 104.868,54.57 104.577,54.57 104.514,54.507 104.514,54.277
  pour cut-out: 109.527,28.127 110.073,28.127 110.123,28.177 110.123,28.082 110.105,28.064 109.527,28.064
  pour cut-out: 110.977,27.273 110.977,26.877 110.93,26.83 110.82,26.94 110.82,27.273
  pour cut-out: 80.023,28.023 80.023,27.852 79.948,27.777 80.313,27.777 80.313,28.023
  pour cut-out: 87.077,29.873 87.077,29.497 87.05,29.47 86.82,29.47 86.82,29.873
  pour cut-out: 102.573,49.583 102.367,49.377 102.369,49.375 102.369,49.147 104.545,49.147 104.684,49.286 104.684,49.909 104.619,49.973
  pour cut-out: 102.58,49.84
  pour cut-out: 100.127,49.583 100.333,49.377 100.321,49.365 100.321,49.143 98.545,49.143 97.912,48.51 97.595,48.51 97.595,49.222 97.956,49.583
  pour cut-out: 100.127,51.617 100.333,51.823 100.333,52.049 98.238,52.049 98.61,51.676 98.61,51.629
  pour cut-out: 102.798,53.423 102.627,53.423 102.627,54.277 102.798,54.277
  pour cut-out: 55.875,70.138 53.641,70.138 53.641,68.898 54.877,67.662 55.448,67.662 55.448,69.323 55.875,69.75
  pour cut-out: 51.498,65.548 51.498,65.272 51.603,65.377 51.66,65.377 51.66,65.498 51.61,65.548
  pour cut-out: 102.327,46.923 102.523,46.923 102.523,47.398 102.45,47.471 102.377,47.471 102.327,47.421
  pour cut-out: 104.623,46.923 104.375,46.923 104.33,46.968 104.442,47.08 104.657,47.08
  pour cut-out: 103.652,53.423 103.798,53.423 103.798,54.277 103.652,54.277
  pour cut-out: 93.023,45.477 92.877,45.477 92.877,44.623 93.023,44.623
  pour cut-out: 92.018,42.193 91.991,42.22 90.935,42.22 90.935,44.585 90.92,44.6 91.797,45.477 92.122,45.477 92.122,44.992 91.242,44.112 91.242,42.872
  pour cut-out: 83.912,44.048 83.917,44.053 84.203,44.053 84.203,45.472 84.163,45.513 83.973,45.513 83.912,45.452
  pour cut-out: 64.478,56.282 64.416,56.22 62.85,56.22 62.85,51.96 62.94,51.87 64.2,51.87 64.2,55.53 64.4,55.73
  pour cut-out: 95.627,98.923 95.627,98.777 93.873,98.777 93.873,98.923
  pour cut-out: 97.307,71.323 97.357,71.273 97.723,71.273 97.723,71.558 97.467,71.814 97.317,71.814
  pour cut-out: 106.337,72.4 106.337,71.85 106.317,71.83 105.92,71.83 105.92,72.31 105.95,72.34
  pour cut-out: 105.69,55.27 105.69,55.95 105.66,55.98 105.31,55.63 105.31,55.52
  pour cut-out: 98.4,31.763 98.417,31.78 98.96,31.78 98.96,32.13 98.97,32.14 98.95,32.16 98.42,32.16
  pour cut-out: 95.423,34.702 95.43,34.709 95.43,34.91 95.853,34.91 95.86,34.903 95.957,35 97.15,35 97.15,34.729 97.177,34.702
  pour cut-out: 96.173,49.423 96.173,48.633 96.16,48.62 96.258,48.522 97.751,48.522 97.751,49.453 97.744,49.46
  pour cut-out: 100.309,46.53
  pour cut-out: 100.318,44.696 100.321,44.693 100.321,43.86 99.63,43.86 99.52,43.97 99.52,44.72
  pour cut-out: 96.723,47.648 96.721,47.65 96.371,47.65 96.604,47.883 96.671,47.883 96.72,47.833
  pour cut-out: 98.277,47.648 98.742,47.648 98.563,47.827 98.197,47.827 98.16,47.79
  pour cut-out: 56.346,43 56.346,42.6 56.26,39.56 55.82,39.56 55.77,39.61 55.77,42.96
  pour cut-out: 43.663,38.05 45.38,36.333 45.38,36.12 47.25,37.99
  pour cut-out: 44.823,45.127 42.9,45.127 42.886,45.113 42.886,44.22 45.195,44.22 45.6,44.625
  pour cut-out: 47.729,45.189 48.761,45.189 48.936,45.014 48.472,44.55 47.729,44.55
  pour cut-out: 73.32,83.405 75.86,83.405 75.86,83.406 78.089,83.406 78.089,83.979 78.4,84.29 73.32,84.29
  pour cut-out: 67.832,83.361 67.877,83.405 70.78,83.405 70.78,84.29 69.67,85.4 69,85.4
  pour cut-out: 65.1,64.038 66.748,64.038 65.56,62.85 64.72,62.85
  pour cut-out: 58.8,70.088 59.763,70.088 59.82,70.145 59.82,69.62 58.877,69.62 58.8,69.697
  pour cut-out: 56.473,65.298 55.627,65.298 55.6,65.325 56.104,65.829 56.473,65.829
  pour cut-out: 53.912,70.138 53.641,70.138 53.352,70.427 53.331,70.406 53.331,69.466 53.375,69.422 53.446,69.422 53.514,69.491
  pour cut-out: 51.498,69.402 51.498,69.602 51.599,69.703 52.578,69.703 52.578,69.604 52.381,69.407
  pour cut-out: 57.227,56.548 57.227,55.277 57.234,55.27 57.241,55.277 57.977,55.277 58.48,55.78 58.48,56.57
  pour cut-out: 58.2,54.568 59.109,54.568 59.476,54.2 59.73,54.454 59.73,55.42 59.25,55.9
  pour cut-out: 49.742,60.45 49.742,58.01 48.38,59.372 48.38,61.86
  pour cut-out: 43.916,84.35 43.916,83.964 41.822,81.87 43.412,80.28 43.5,80.28 43.5,80.32 46,82.82 44.47,84.35
  pour cut-out: 95.85,84.79 99.25,84.79 99.25,87.86 95.85,87.86
  pour cut-out: 61.65,38.51 65.07,38.51 65.07,41.64 61.65,41.64
  pour cut-out: 80.91,69.01 94.3,69.01 94.28,68.99 94.28,54.52 80.913,54.52 80.91,54.523
Mid-Layer 1:
  rectangle net GND: 106.438,40.3 113.26,44.79
  rectangle net NetC18_2: 80.6,27 91.25,29.35
  pour cut-out: 89.505,51.045
  pour cut-out: 73.32,36.915 78.4,36.915 78.409,36.923 80.86,36.923 80.86,34.6 79.58,33.32 70.844,33.32 69.69,34.474 69.69,36.917
  pour cut-out: 71.009,36.884
  pour cut-out: 71.66,36.03 71.66,34.61 71.06,34.01 68.64,34.01 68.24,34.41 68.24,36.03
  pour cut-out: 95.85,84.79 99.25,84.79 99.25,87.86 95.85,87.86
  pour cut-out: 95.85,84.79 99.25,84.79 99.25,87.86 95.85,87.86
  pour cut-out: 61.65,38.51 65.07,38.51 65.07,41.64 61.65,41.64
  pour cut-out: 80.91,69.01 94.3,69.01 94.28,68.99 94.28,54.52 80.913,54.52 80.91,54.523
Mid-Layer 2:
  rectangle net GND: 106.52,40.67 112.95,46.02
  pour cut-out: 95.85,84.79 99.25,84.79 99.25,87.86 95.85,87.86
  pour cut-out: 61.65,38.51 65.07,38.51 65.07,41.64 61.65,41.64
  pour cut-out: 80.91,69.01 94.3,69.01 94.28,68.99 94.28,54.52 80.913,54.52 80.91,54.523
Bottom Layer:
  rectangle net NetC18_2: 80.6,27 91.25,29.35
  rectangle net V_IN: 99,30.7 104.45,39.25
  rectangle net V_PWR: 81.95,39.05 90.75,43.5
  rectangle net V_PWR: 68.5,37.3 97.15,40.25
  rectangle net NetF1_1: 105.35,30.8 112.5,40.15
  rectangle net SR_P: 91.5,55.9 100.05,59.7
  rectangle net SR_P: 91.45,54.2 96.4,59.7
  rectangle net NetC14_2: 84.3,44.05 87.7,45.95
  rectangle net NetC14_2: 81.9,45.65 87.7,56.8
  rectangle net NetC4_1: 100.3,72.45 106.2,81.55
  rectangle net NetF2_2: 107.4,71.45 113.5,81.5
  rectangle net SR_N: 100.35,60 106.15,71.75
  rectangle net SR_N: 100.35,55.95 113.25,61
  pour cut-out: 100.213,71.75 100.213,72.4 100.163,72.45 106.337,72.45 106.337,71.8 106.287,71.75
  pour cut-out: 55.622,58.772 55.622,61.028 55.61,61.04 53.75,59.18 53.75,58.85
  pour cut-out: 95.47,27.215 98.01,27.215 98.01,28.1 95.47,28.1
  pour cut-out: 81.763,45.65 81.813,45.6 81.813,43.5 87.697,43.5 87.837,43.64 87.837,44.05 84.3,44.05 84.27,44.08 84.27,45.6
  pour cut-out: 58.95,40.85 60.5,40.85 60.51,40.86 60.51,41.42 59.06,41.42 59,41.36
  pour cut-out: 61.04,41.7 65.58,41.7 65.59,41.69 65.563,41.663 65.563,37.823 64.17,36.43 64.17,35.23 65.29,34.11 86.488,34.11 86.488,32.15 64.64,32.15 62.13,34.66 62.13,36.42 60.48,38.07 60.48,41.64
  pour cut-out: 60.96,46.767 64.349,46.767 63.207,47.91 62.38,47.91
  pour cut-out: 95.85,84.79 99.25,84.79 99.25,87.86 95.85,87.86
  pour cut-out: 61.65,38.51 65.07,38.51 65.07,41.64 61.65,41.64
  pour cut-out: 80.91,69.01 94.3,69.01 94.28,68.99 94.28,54.52 80.913,54.52 80.91,54.523

## Silkscreen, mask and mechanical layers (free items; w line width, h text height)
Top Overlay:
  text "GND" at 84.23,96.73 h1 r90
  text "LED1" at 95.08,96.15 h1
  text "RESET" at 104.63,96.09 h1
  text "-" at 114.01,90.76 h1.5
  text "LED" at 114.05,88.28 h1.5
  text "TXD" at 76.43,86.15 h1 r90
  text "I2C SDA" at 36.63,86.13 h1 r90
  text "I2C SCL" at 33.93,86.09 h1 r90
  text "SPI SCK" at 44.2,86.07 h1 r90
  text "SPI MOSI" at 49.27,86.09 h1 r90
  text "RXD" at 78.74,86.08 h1 r90
  text "SPI CS" at 51.79,86.05 h1 r90
  text "SPI MISO" at 46.66,86.03 h1 r90
  text "PA15" at 73.71,86.03 h1 r90
  text "GND" at 41.7,86 h1 r90
  text "PC14" at 68.59,85.98 h1 r90
  text "PC15" at 71.14,85.98 h1 r90
  text "+" at 113.97,85.37 h1.5
  text "P4" at 77.92,81.94 h1
  text "P1" at 56,81.91 h1
  text "10A" at 106.29,80.97 h1.3
  text "ADC1" at 85.35,76.63 h1
  text "+BAT" at 98.34,76.59 h1
  text "-" at 38.57,74.3 h15
  text "ADC2" at 85.36,73.37 h1
  text "BAT" at 113.95,73.35 h1.5
  text "e" at 35.87,69.9 h15
  text "MPPT Charger V2" at 33.73,68.09 h1.5
  text "GND" at 113.96,68.05 h1.5
  text "GND" at 113.95,63.12 h1.5
  text "OUT" at 113.98,57.96 h1.5
  text "*" at 108.99,52.73 h1.2 r90
  text "*R13 VBAT / *R9 MPPT" at 110.04,50.09 h1
  text "*" at 108.5,47.65 h1.2 r90
  text "+5V" at 53.37,44.53 h1
  text "+3.3V" at 42.76,42.83 h1
  text "GND" at 113.98,42.26 h1.5
  text "+PWR" at 75.41,39.65 h1
  text "VIN" at 113.99,37.1 h1.5
  text "10A" at 102.98,33.96 h1.3
  text "P3" at 64.42,33.65 h1
  text "P2" at 41.42,33.61 h1
  text "VIN" at 60.91,32.68 h1 r90
  text "+5V" at 53.18,32.44 h1 r90
  text "GND" at 55.79,32.4 h1 r90
  text "GND" at 58.35,32.41 h1 r90
  text "USB" at 88.26,31.65 h1
  text "+3.3V" at 50.69,31.61 h1 r90
  text "IOREF" at 45.65,31.54 h1 r90
  text "GND" at 91.51,31.1 h1 r315
  text "VDD" at 99.05,31.03 h1 r315
  text "DIO" at 94.31,30.94 h1 r315
  text "CLK" at 96.82,30.93 h1 r315
  text "BOOT" at 107.02,30.46 h1
  text "ADC IN4" at 71.1,30.38 h1 r90
Bottom Solder:
  text "2020 04 03 Kaunas" at 55.76,28.65 h1.52
Mechanical 1:
  lines w0.1: 42.205,36.03 43.475,36.03 ; 42.84,35.395 42.84,36.665 ; 55.921,84.29 57.191,84.29 ; 56.556,83.655 56.556,84.925 ; 65.065,36.03 66.335,36.03 ; 65.7,35.395 65.7,36.665 ; 77.765,84.29 79.035,84.29 ; 78.4,83.655 78.4,84.925
  lines w0.2: 29.1,29.65 29.1,97.65 114.1,97.65 114.1,29.65 29.1,29.65 ; 90.95,49.79 90.95,49.79

## Dimensions
29.1,29.65 to 114.1,29.65 on Mechanical 1
29.1,97.65 to 29.1,29.65 on Mechanical 1
114.1,100.8 to 114.1,26.5 on Mechanical 1
25.95,97.65 to 117.25,97.65 on Mechanical 1